# Altium PCB Light Control - 6ports.PcbDoc
Units mm, origin at the board's own origin, x right, y up, seen from the top; angles counter-clockwise.
Board outline 152.4 x 101.6 mm, 2 copper layers (Top Layer, Bottom Layer); 42 components, 40 nets, 134 pads, 92 vias.
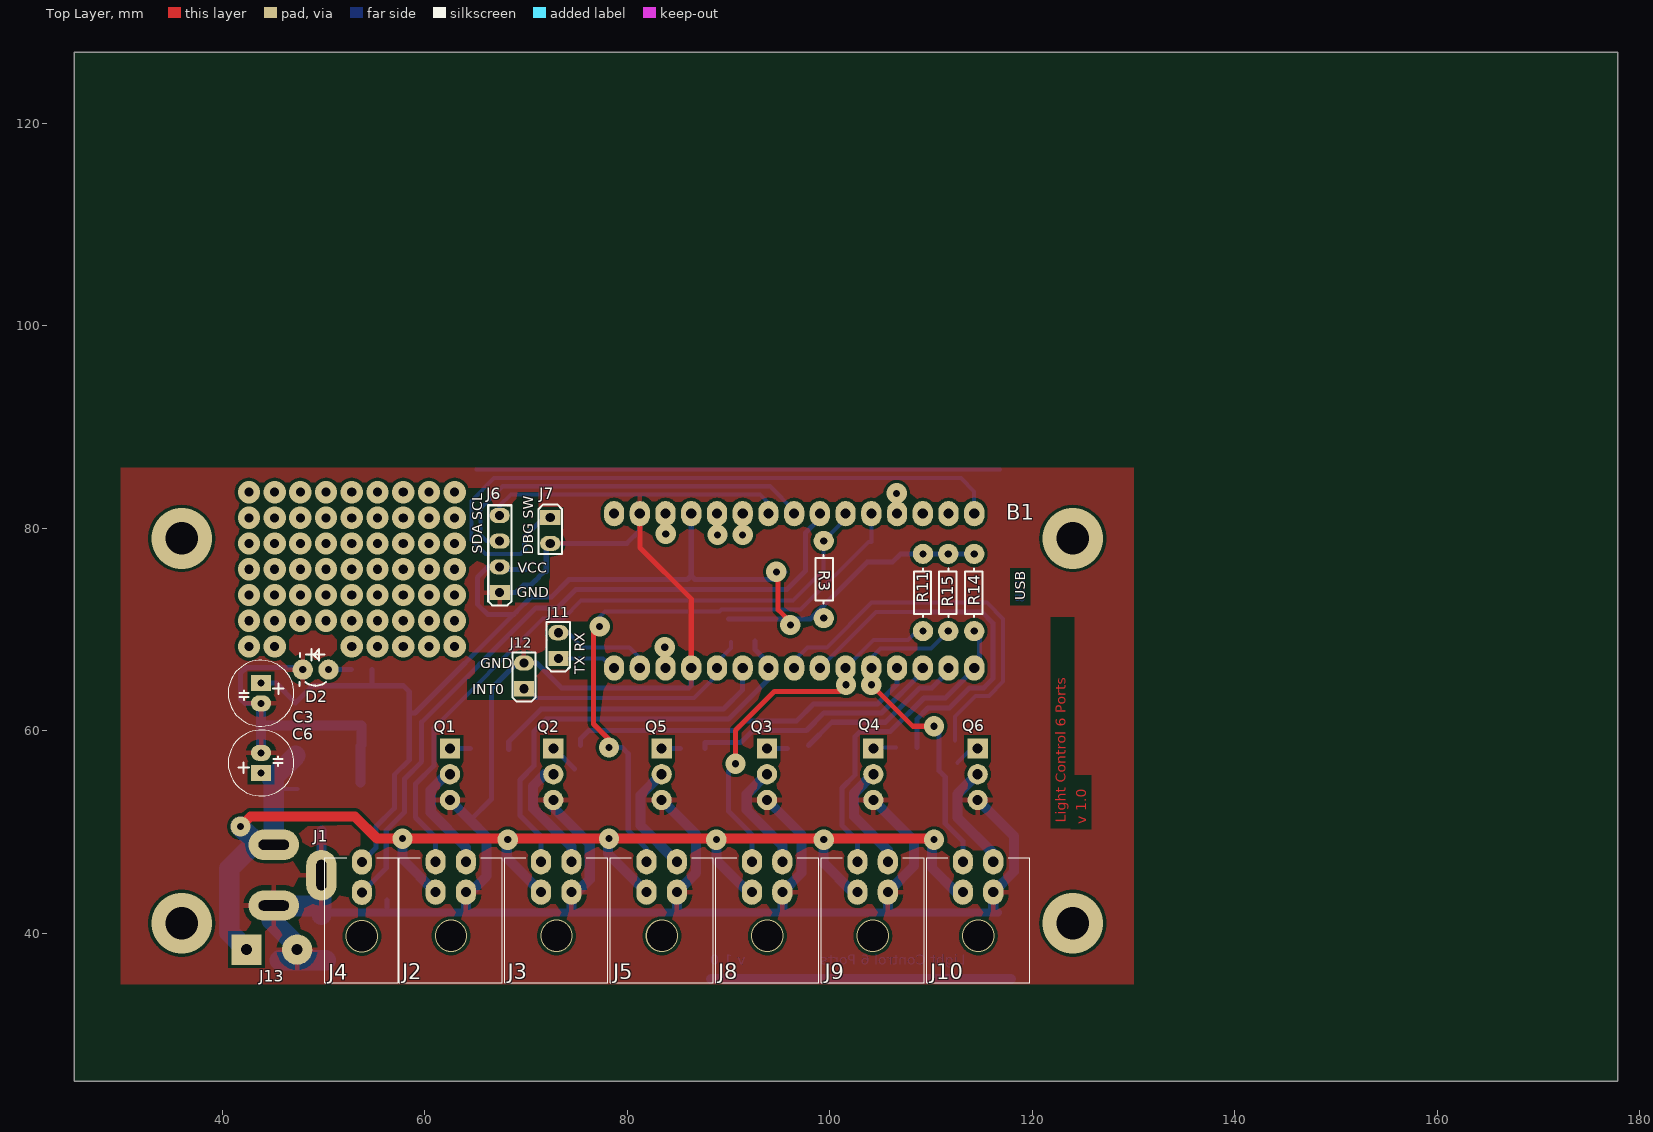
[diagram p0: Top Layer view]
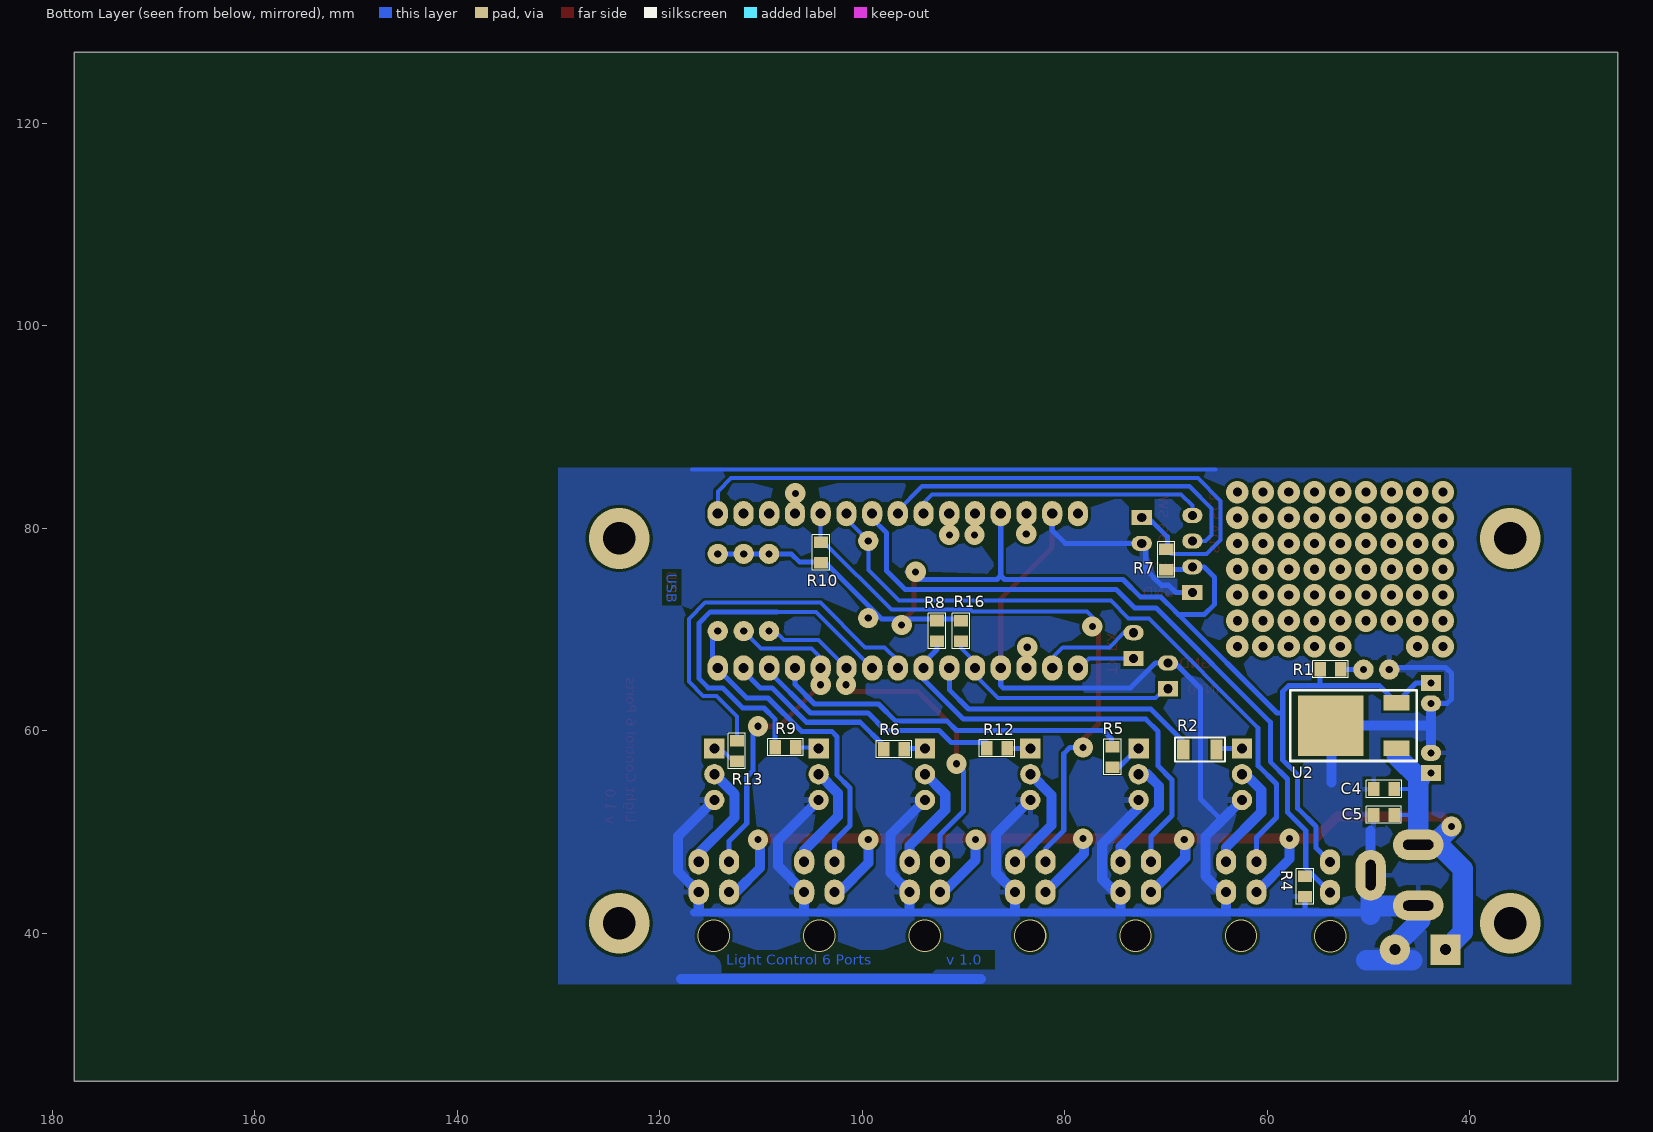
[diagram p1: Bottom Layer view, seen from below]
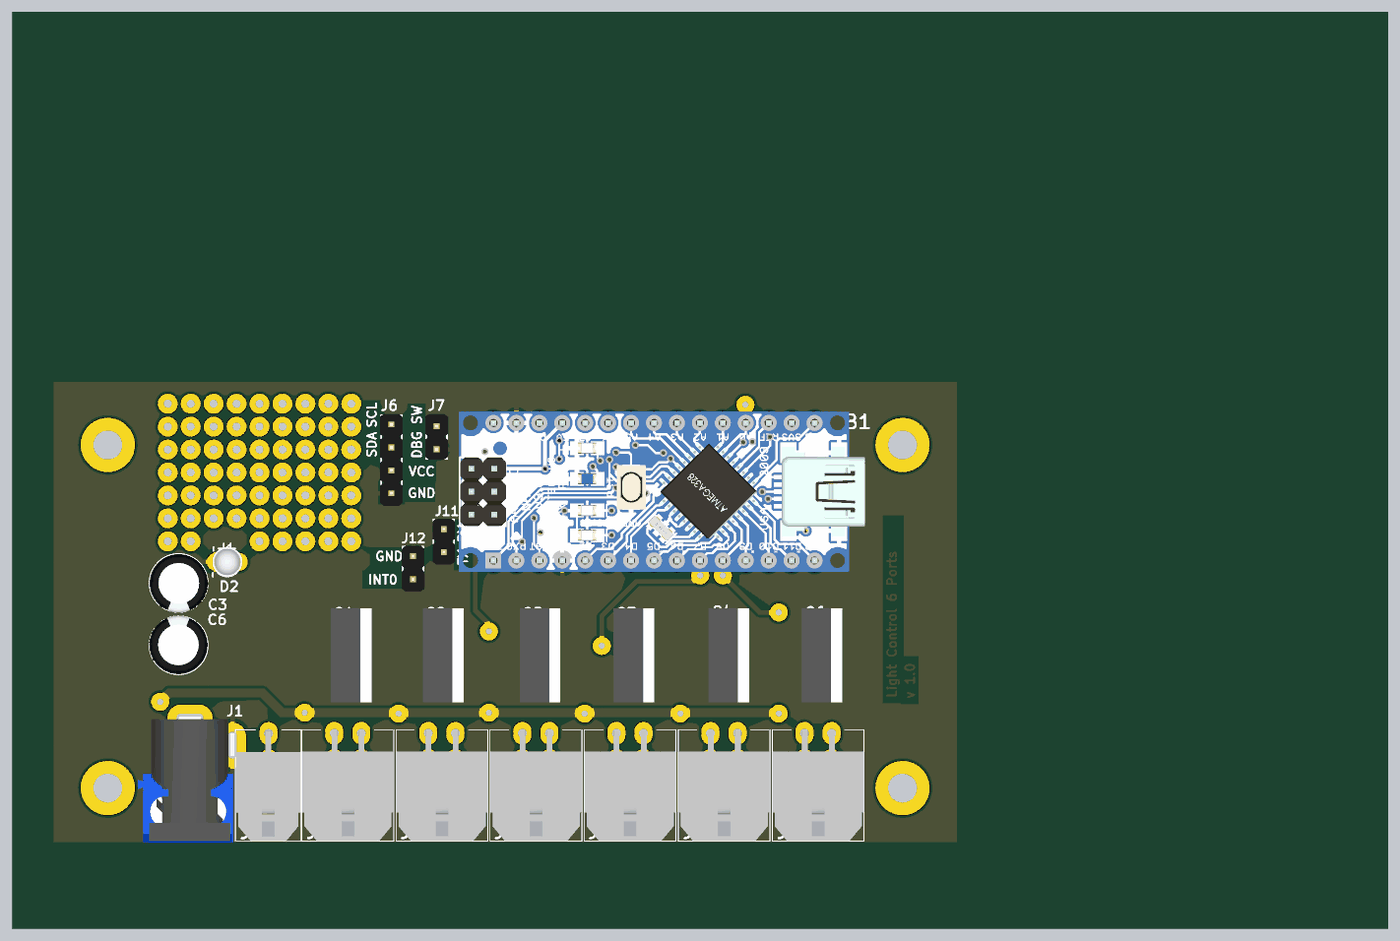
[diagram p2: 3D render of the assembled board from above, using the file's embedded part models]
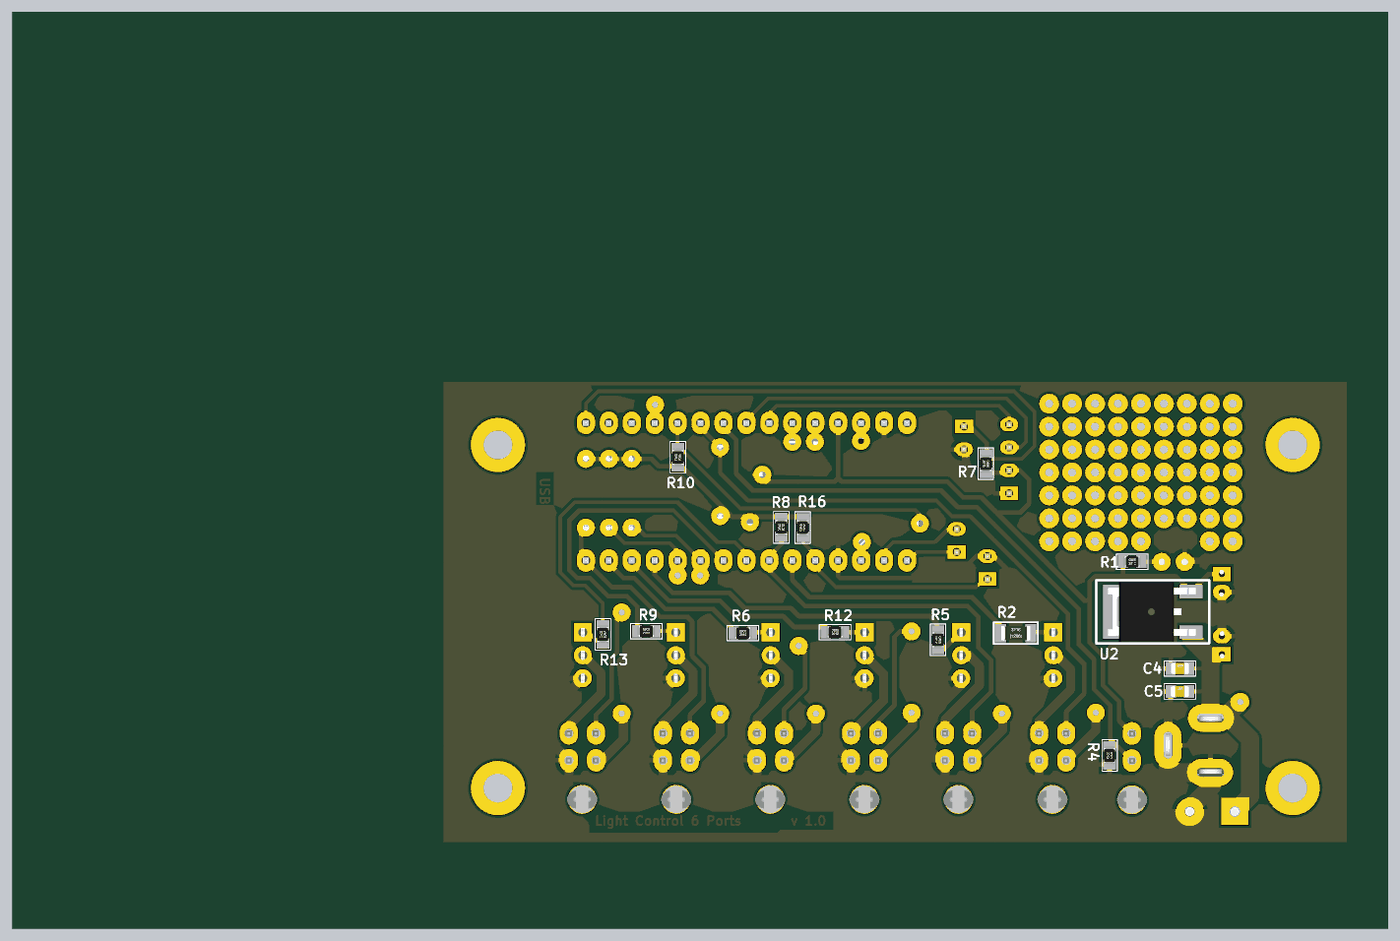
[diagram p3: 3D render of the assembled board from below, using the file's embedded part models]

## Layer stack, top to bottom
Top Solder: solder mask 0.0102, Solder Resist, Dk 3.5
Top Layer: signal copper 0.0356
Dielectric 1: dielectric 0.32, FR-4, Dk 4.8
Bottom Layer: signal copper 0.0356
Bottom Solder: solder mask 0.0102, Solder Resist, Dk 3.5

## Board outline
25.4,25.4 177.8,25.4 177.8,127 25.4,127

## Design rules (kind name [scope] priority, off if disabled: settings)
Clearance [All] p1: gap=0.3
ComponentClearance [All] p1: gap=0 collisioncheckmode=3 verticalgap=0 showdistances=FALSE
PlaneClearance [All] p1: clearance=0.5
PlaneConnect [All] p1: planeconnectstyle=Relief reliefexpansion=0.5 reliefentries=4 reliefconductorwidth=0.5 reliefairgap=0.5
PolygonConnect [All] p1: connectstyle=Relief reliefconductorwidth=0.5 reliefentries=4 polygonreliefangle="90 Angle" airgapwidth=0.5
RoutingVias [All] p1: holewidth=0.711 width=1.27 viastyle="Through Hole" minholewidth=0.711 minwidth=1.27 maxholewidth=0.711 maxwidth=1.27
SolderMaskExpansion [All] p1: expansion=0.102
Width [All] p1: maxlimit=3 minlimit=0.3 preferedwidth=0.5
26 further rules are at their usual default settings.

## Components (designator, comment, footprint, x,y, rotation, side; value= is the part's Value field where it differs from the comment)
B1 "Arduino Nano" "Arduino Nano v3" 78.7,81.45 r0 top
C3 "220mF 16v" "Cap E p2mm D6.5xH11" 43.841,64.712 r270 top
C4 "0.01uF" "SMD 0805 (2012)" 49.5,54.225 r180 bottom
C5 "0.1uF" "SMD 0805 (2012)" 49.525,51.675 r180 bottom
C6 "25v 220mF" "Cap E p2mm D6.5xH11" 43.841,55.822 r90 top
D2 "FYL-3014GD" "LED Round 3mm Green" 50.5,66.05 r180 top
J1 "DC In 12V" "DC Connector" 45.1,48.75 r270 top
J2 "Port 1" "Molex Micro-Fit 3.0 - 4 pin D R" 64.073,44.073 r0 top
J3 "Port 1" "Molex Micro-Fit 3.0 - 4 pin D R" 74.487,44.073 r0 top
J4 "Light Sensor" "Molex Micro-Fit 3.0 - 2 pin D R" 53.8,44.05 r0 top
J5 "Port 1" "Molex Micro-Fit 3.0 - 4 pin D R" 84.901,44.073 r0 top
J6 "I2C" "Line 2.54 X 4" 67.4,73.65 r180 top
J7 "ON/OFF Display and serial" "Line 2.54 x 2" 72.4,81.05 r0 top
J8 "Port 1" "Molex Micro-Fit 3.0 - 4 pin D R" 95.315,44.073 r0 top
J9 "Port 1" "Molex Micro-Fit 3.0 - 4 pin D R" 105.729,44.073 r0 top
J10 "Port 1" "Molex Micro-Fit 3.0 - 4 pin D R" 116.143,44.073 r0 top
J11 "RX-TX" "Line 2.54 x 2" 73.2,67.15 r180 top
J12 "Int0" "Line 2.54 x 2" 69.8,64.15 r180 top
J13 "DC In v2" "DG301 5mm 2p" 42.4,38.4 r0 top
Q1 "TIP122" TO220-2 62.5,58.25 r180 top
Q2 "TIP122" TO220-2 72.7,58.25 r180 top
Q3 "TIP122" TO220-2 93.8,58.25 r180 top
Q4 "TIP122" TO220-2 104.3,58.25 r180 top
Q5 "TIP122" TO220-2 83.4,58.25 r180 top
Q6 "TIP122" TO220-2 114.6,58.25 r180 top
R1 "4.7k Om" "SMD 0805 (2012)" 54.8,66.05 r180 bottom
R2 "1kOm" "SMD 1206 (3216)" 68.3,58.15 r180 bottom
R3 "10k Om" "Res p7.62 (4p) 0.25w" 99.4,78.75 r270 top
R4 "1 kOm" "SMD 0805 (2012)" 56.3,45.65 r270 bottom
R5 "1kOm" "SMD 0805 (2012)" 75.3,58.45 r270 bottom
R6 "1kOm" "SMD 0805 (2012)" 97.9,58.15 r180 bottom
R7 "10kOm" "SMD 0805 (2012)" 70,77.95 r270 bottom
R8 "10k Om" "SMD 0805 (2012)" 92.6,68.85 r90 bottom
R9 "1kOm" "SMD 0805 (2012)" 108.6,58.35 r180 bottom
R10 "10k Om" "SMD 0805 (2012)" 104.1,78.65 r270 bottom
R11 "10k Om" "Res p7.62 (4p) 0.25w" 109.2,69.85 r90 top
R12 "1kOm" "SMD 0805 (2012)" 87.7,58.25 r180 bottom
R13 "1kOm" "SMD 0805 (2012)" 112.4,59.05 r270 bottom
R14 "10k Om" "Res p7.62 (4p) 0.25w" 114.26,69.85 r90 top
R15 "10k Om" "Res p7.62 (4p) 0.25w" 111.7,69.85 r90 top
R16 "10kOm" "SMD 0805 (2012)" 90.225,68.825 r90 bottom
U2 "7805C" D-PAK 53.747,60.521 r180 bottom

## Footprints (in the part's own frame and the unit in brackets; to place one, negate y for a bottom-side part, rotate by r counter-clockwise, add the part's x,y. Pads: shape width x height; smd on the part's side, far side on the other; paste and mask are expansions set on the pad)
"Arduino Nano v3" [mm]
  oval 2x2.5 hole 1: 3V3(33.02,0) 5V(7.62,0) A0(27.94,0) A1(25.4,0) A2(22.86,0) A3(20.32,0) A4(17.78,0) A5(15.24,0) A6(12.7,0) A7(10.16,0) Aref(30.48,0) D0(2.54,-15.24) D1(0,-15.24) D2(10.16,-15.24) D3(12.7,-15.24) D4(15.24,-15.24) D5(17.78,-15.24) D6(20.32,-15.24) D7(22.86,-15.24) D8(25.4,-15.24) D9(27.94,-15.24) D10(30.48,-15.24) D11(33.02,-15.24) D12(35.56,-15.24) D13(35.56,0) Gnd1(2.54,0) Gnd2(7.62,-15.24) Rst1(5.08,0) Rst2(5.08,-15.24) Vin(0,0)
  body extent -3.81,-16.52 41.11,1.27, height 12.73
"Cap E p2mm D6.5xH11" [mm] "D 6.5mm; H 11mm"
  rect 1.6x2 hole 0.7: 1(0,0)
  oval 1.6x2 hole 0.7: 2(2,0)
  silkscreen extent -2.25,-3.25 4.25,3.25, body extent -2.22,-3.22 4.27,3.28, height 11.49
D-PAK [mm]
  rect 2.54x1.5 smd: 1(6.5,-2.25) 3(6.5,2.25)
  rect 6.48x5.97 smd: 2(0,0)
  silkscreen extent -4,-3.5 8.5,3.5, body extent -2.7,-3.29 7,3.29, height 2.3
"DC Connector" [mm] "Ext Pin D: 5.5mm; Int Pin D: 2.5mm"
  oval 5x3 hole 1 slot 3 at 0 deg: GND(3,4.7)
  oval 3x5 hole 1 slot 3 at 90 deg: GND(6,0) VCC(0,0)
  body extent -0.2,-4.53 13.63,4.98, height 11
"DG301 5mm 2p" [mm]
  rect 3x3 hole 1.1: 1(0,0)
  round 3 hole 1.1: 2(5,0)
  body extent -3.1,-3.4 7.5,4.2, height 10
"LED Round 3mm Green" [mm]
  round 2 hole 0.7: A(0,0) K(2.54,0)
  silkscreen extent 0.25,-2.03 2.88,1.63, body extent -0.39,-1.65 2.91,1.64, height 5.51
"Line 2.54 x 2" [mm]
  rect 2x1.5 hole 0.9: 1(0,0)
  oval 2x1.5 hole 0.9: 2(0,-2.54)
  silkscreen extent -1.15,-3.57 1.15,1.28, body extent -1.25,-3.69 1.25,1.39, height 8.3
"Line 2.54 X 4" [mm]
  rect 2x1.5 hole 0.9: 1(0,0)
  oval 2x1.5 hole 0.9: 2(0,-2.54) 3(0,-5.08) 4(0,-7.62)
  silkscreen extent -1.17,-8.62 1.12,1.27, body extent -1.25,-8.78 1.25,1.38, height 8.2
"Molex Micro-Fit 3.0 - 2 pin D R" [mm]
  oval 2x2.5 hole 1: 1(0,0) 2(0,3)
  silkscreen extent -3.67,-8.95 3.6,3.4, body extent -3.6,-8.95 3.55,3.3, height 8.83
"Molex Micro-Fit 3.0 - 4 pin D R" [mm]
  oval 2x2.5 hole 1: 1(0,0) 2(-3,0) 3(0,3) 4(-3,3)
  silkscreen extent -6.58,-8.95 3.6,3.4, body extent -6.55,-8.94 3.6,3.3, height 8.83
"Res p7.62 (4p) 0.25w" [mm] "L p7.62; horisontal"
  round 2 hole 0.7: 1(0,0) 2(7.62,0)
  silkscreen extent 1.4,-0.8 6.2,0.9, body extent -0.3,-1 7.8,1, height 2.1
"SMD 0805 (2012)" [mil]
  rect 45x55 smd: 1(0.35,0.98) 2(80.35,0.98)
  silkscreen extent -29,-32 109,34, body extent 1,-24 80,26, height 31
"SMD 1206 (3216)" [mm]
  rect 1.2x2 smd: 1(0,0) 2(3.3,0)
  silkscreen extent -0.8,-1.2 4.1,1.2, body extent 0.05,-0.8 3.25,0.8, height 0.55
TO220-2 [mm]
  rect 2x2 hole 1: 1(0,0)
  round 2 hole 1: 2(0,2.54) 3(0,5.08)
  body extent -2.7,-2.65 1.8,7.75, height 19

## Part data
C3 C6: library part "Cap E 220mF x 16V", "Capacitor"
C4 C5: library part "Cap SMD 0402-1812", "Capacitor"
D2: library part "Led Round 3mm Green", "2.1v 10mA, 15-30mCd"
J1: library part "DC Connector (PJ-002B)", "DC Connector"
J2 J3 J5 J8 J9 J10: library part "Micro-Fit 4R (2x2)", "Horisontal, Dbl line, Male - 3mm"
J4: library part "Micro-Fit 2R (1x2)", "Horisontal, Dbl line, Male - 3mm"
J6: library part PLS-4, "Vert, Sgl line, Male"
J7 J11 J12: library part PLS-2, "Vert, Sgl line, Male"
J13: library part DG301-5.0-2P12, "DG301 series"
Q1 Q2 Q3 Q4 Q5 Q6: "NPN Darlington 5A, 65W, 100V, h>1000"
R1 R2 R3 R4 R5 R6 R7 R8 R9 R10 R11 R12 R13 R14 R15 R16: library part "Res All Types"
U2: "Voltage Regulator"

## Via types
v1: diameter 2.2, hole 0.9, Top Layer to Bottom Layer, 61 vias
v2: diameter 2, hole 0.7, Top Layer to Bottom Layer, 20 vias
v3: diameter 3.2, hole 3, Top Layer to Bottom Layer, 7 vias
v4: diameter 6, hole 3.2, Top Layer to Bottom Layer, 4 vias

## Nets (pads, with @x,y where several pads share a name; then routed paths per layer and width w, separated by ;. In a path a pad name is that pad's centre, name@x,y a point inside that pad or via, vN(x,y) a via of type N, cw(c..) or ccw(c..) an arc to the next point about the centre after c; other vN are vias at no path point)
+5V: B1.5V C3.1 J4.2 J6.2 R1.1 R3.2 R7.2 R8.2 R10.2 R11.2 R14.2 R15.2 R16.2 U2.3 | length 131.8
  Top Layer w0.5: v2@95.325,75.7 94.9,75.275 94.9,71.95 96.1,70.75 v2(96.1,70.45)
  Bottom Layer w0.5: C3.1 45.306,64.712 U2.3 48.926,64.45 57.9,64.45 58.475,63.875 58.475,61.975 58.7,61.75 ; J4.2 55.2,48.45 55.2,50.55 57,52.35 57,55.65 58.475,57.125 58.475,61.75 59.05,61.75 69.05,71.75 ; 54.791,64.559 R1.1 ; J6.2@67.4,75.909 R7.2 ; J6.2 66.24,76.19 65.2,75.15 65.2,72.5 66.2,71.5 68.8,71.5 69.05,71.75 ; B1.5V 86.32,75.33 ; R16.2@89.98,71.05 98.075,71.05 103.675,76.65 106.18,76.65 107,77.47 R11.2 R15.2 R14.2@114.1,77.47 ; v2(94.725,75.7) 95.55,75.7 94.8,74.95 86.7,74.95 86.32,75.33 ; 69.05,71.75 70.5,73.2 72.5,73.2 74.25,74.95 85.94,74.95 86.32,75.33
+12V: C4.2 C5.2 C6.1 J1.VCC J2.2 J3.2 J5.2 J8.2 J9.2 J10.2 J13.1 U2.1 | length 140.4
  Top Layer w1: v2(41.8,50.55) 42.8,51.55 53.1,51.55 55.3,49.35 v2(78.2,49.35) v2@110.2,49.35
  Bottom Layer w0.4: 45.225,51.7 C5.2 ; 45.9,54.25 C4.2
  Bottom Layer w1: v2(57.8,49.35) 57.8,47.346 J2.2 ; v2@68.1,49.25 68.1,47.46 J3.2 ; v2@78.1,49.25 78.1,47.874 J5.2 ; v2(88.8,49.25) 88.8,47.25 91.977,44.073 J8.2 ; v2@99.396,49.15 99.396,46.954 102.277,44.073 J9.2 ; v2@110.1,49.25 110.1,46.45 112.477,44.073 J10.2
  Bottom Layer w2: v2(41.8,50.55) J1.VCC@43.6,48.75 ; J13.1 40.7,40.1 40.7,46.4 43.05,48.75 J1.VCC@43.6,48.75 ; U2.1@47.247,57.558 44.919,55.231 45.1,55.05 J1.VCC J1.VCC@43.6,48.75
  other v2: 68.2,49.25 99.4,49.25 110.3,49.25
"A 0": B1.A0
  other v2: 106.6,83.45
"A 6": B1.A6
  other v2: 91.4,79.35
"A 7": B1.A7
  other v2: 88.9,79.35
"BTN 1": B1.A2 J2.4 R3.1 | length 66.2
  Bottom Layer w0.4: 60.9,60.3 71.7,71.1 73.7,71.1 75.45,72.85 96.35,72.85 99.4,75.9 R3.1 101.56,80.91 B1.A2
  Bottom Layer w0.5: 60.9,60.3 60.9,56.55 59.1,54.75 59.1,51.45 61.073,49.477 J2.4
"BTN 2": B1.D4 J3.4 R8.1 | length 44
  Bottom Layer w0.5: J3.4 71.487,49.563 69.4,51.65 69.4,55.15 70.8,56.55 70.8,59.95 72,61.15 90,61.15 94,65.15 94,66.65 92.625,68.025 R8.1
"BTN 3": B1.A1 J5.4 R10.1 | length 59.5
  Top Layer w0.5: v2@76.675,70.75 76.675,60.675 78.2,59.15 v2(78.2,58.35)
  Bottom Layer w0.4: v2@77.156,71.155 77.8,71.8 89.125,71.8 89.3,71.975 97.125,71.975 103.8,78.65 104.1,78.65 B1.A1
  Bottom Layer w0.5: v2(78.2,58.35) 79.5,58.35 80.1,57.75 80.1,50.15 81.901,48.349 J5.4
  other v2: 77.277,70.304
"BTN 4": B1.D7 J8.4 R11.1 | length 36.1
  Top Layer w0.5: v2(90.7,56.75) 90.7,60.05 94.55,63.9 100.95,63.9 v2(101.6,64.55)
  Bottom Layer w0.4: B1.D7 104.3,68.95 107.7,68.95 108.6,69.85 R11.1
  Bottom Layer w0.5: v2(90.7,56.75) 90,56.05 90,52.05 92.315,49.735 J8.4
"BTN 5": B1.D12 J9.4 R14.1 | length 32.3
  Bottom Layer w0.5: J9.4 102.729,49.121 101.2,50.65 101.2,54.35 102.5,55.65 102.5,59.45 103,59.95 106,59.95 109.3,63.25 111.4,63.25 114.8,66.65 114.8,69.31 R14.1
"BTN 6": B1.D8 J10.4 R15.1 | length 34.8
  Top Layer w0.5: v2(104.1,64.55) 108.2,60.45 v2(110.3,60.45)
  Bottom Layer w0.4: B1.D8 104.1,67.25 105,68.15 110,68.15 R15.1
  Bottom Layer w0.5: v2@104.1,64.4 v2(104.1,64.55) B1.D8 B1.D8@104.1,67.05 ; v2(110.3,60.45) 110.8,59.95 110.8,56.05 111.4,55.45 111.4,50.85 113.143,49.107 J10.4
"CH 1": B1.D3 R2.1 | length 28.2
  Bottom Layer w0.5: R2.1 68.3,58.95 71.5,62.15 89.5,62.15 91.4,64.05 B1.D3
"CH 2": B1.D9 R5.1 | length 35.8
  Bottom Layer w0.5: R5.1@75.4,58.55 75.4,59.25 76.191,60.041 90.7,60.041 91.609,60.95 96.7,60.95 98.4,62.65 104.7,62.65 106.64,64.59 B1.D9
"CH 3": B1.D10 R12.1 | length 25.3
  Bottom Layer w0.5: R12.1 87.691,58.841 91.2,58.841 92.4,60.041 97.7,60.041 99.409,61.75 105.1,61.75 109.18,65.83 B1.D10
"CH 4": B1.D11 R6.1 | length 17.2
  Bottom Layer w0.5: R6.1@97.9,58.55 100.2,60.85 105.5,60.85 108.9,64.25 110.1,64.25 111.72,65.87 B1.D11
"CH 5": B1.D6 R9.1 | length 37.3
  Bottom Layer w0.4: B1.D6 104.56,71.75 108.4,71.75
  Bottom Layer w0.5: 108.4,71.75 115,71.75 116.1,70.65 116.1,65.15 115.2,64.25 113.8,64.25 111.8,62.25 109.7,62.25 108.591,61.141 R9.1
"CH 6": B1.D5 R13.1 | length 39.1
  Bottom Layer w0.4: B1.D5 96.48,66.93 97.8,68.25 99.7,68.25 104.1,72.65 115.5,72.65 117.1,71.05 117.1,64.85 115.7,63.45 114.4,63.45 112.375,61.425 R13.1
"DBG SW": B1.D13 J7.1 R7.1 | length 67.9
  Bottom Layer w0.4: R7.1 69.484,77.45 66,77.45 64.6,78.85 64.6,82.7 66.85,84.95 112.95,84.95 114.26,83.64 B1.D13
  Bottom Layer w0.5: R7.1@69.875,77.941 69.875,79.175 71.75,81.05 J7.1
GND: B1.Gnd1 B1.Gnd2 C3.2 C4.1 C5.1 C6.2 D2.K J1.GND J2.1 J3.1 J5.1 J6.1 J7.2 J8.1 J9.1 J10.1 J12.2 J13.2 Q1.3 Q2.3 Q3.3 Q4.3 Q5.3 Q6.3 R4.2 U2.2 | length 359.1
  Top Layer w0.5: B1.Gnd1 81.24,78.11 86.32,73.03 B1.Gnd2
  Bottom Layer w0.4: 65.1,85.8 116.8,85.8
  Bottom Layer w0.5: C3.2 42.238,62.712 41.8,63.15 41.8,65.65 42.4,66.25 47.76,66.25 D2.K ; 56.275,41.975 R4.2@56.275,43.309 ; 64.5,51.17 66.6,53.27 66.6,64.179 69.111,66.69 J12.2 ; J6.1 69.025,73.65 69.75,74.375 70.444,74.375 70.856,74.788 70.901,74.788 71.224,75.11 71.224,75.155 71.819,75.75 72,75.75 72,78.51 79.96,78.51 81.24,79.79 B1.Gnd1 ; J12.2@70.6,66.69 71.06,66.69 73.5,64.25 86.1,64.25 86.32,64.47 B1.Gnd2 ; 116.039,42.115 116.143,42.193
  Bottom Layer w0.8: J1.GND@45.404,42.05 116.6,42.05
  Bottom Layer w1: C6.2 C3.2 ; 43.929,60.521 U2.2 53.747,58.597 53.65,58.5 53.65,54.925 ; J1.GND@44.739,42.115 J1.GND@44.904,41.95 ; J1.GND@49.8,47.45 49.8,50.15 ; Q1.3 64.5,51.17 66.1,49.57 66.1,45.65 64.523,44.073 J2.1 64.073,42.25 ; Q2.3 72.7,52.423 76.3,48.823 76.3,45.35 75.023,44.073 J3.1 74.487,42.25 ; Q5.3 86.8,49.77 86.8,45.972 J5.1 84.901,42.351 ; 88.3,35.5 117.9,35.5 ; Q3.3 97.2,49.77 97.2,45.958 J8.1 95.315,42.25 ; Q4.3 108.3,49.17 108.3,46.644 J9.1 105.729,42.25 ; Q6.3 118.18,49.59 118.18,46.11 J10.1 116.143,42.193
  Bottom Layer w2: J1.GND@44.9,41.3 J13.2@47.7,38.5 ; J1.GND@45.1,42.75 49.535,42.75 ; 45.675,37.35 50.225,37.35 ; 49.8,41.825 J1.GND@49.8,45.75
INT0: B1.D2 J12.1 R16.1 | length 23.7
  Bottom Layer w0.4: J12.1@70.6,64.15 70.6,63.675 71.025,63.25 86.6,63.25 88.86,65.51 B1.D2 88.86,66.81 90.225,68.175 R16.1@90.225,68.759
"LED 1": J2.3 Q1.2 | length 11.1
  Bottom Layer w1: Q1.2@62.5,55.75 62.2,55.75 60.6,54.15 60.6,51.95 64.073,48.477 J2.3
"LED 2": J3.3 Q2.2 | length 11.5
  Bottom Layer w1: Q2.2 71.86,55.71 70.7,54.55 70.7,52.35 74.487,48.563 J3.3
"LED 3": J5.3 Q5.2 | length 11
  Bottom Layer w1: Q5.2@83.4,55.75 81.3,53.65 81.3,50.674 J5.3
"LED 4": J8.3 Q3.2 | length 11
  Bottom Layer w1: Q3.2@93.8,55.75 91.8,53.75 91.8,52.184 95.315,48.669 J8.3
"LED 5": J9.3 Q4.2 | length 10.8
  Bottom Layer w1: Q4.2@104.3,55.75 102.4,53.85 102.4,51.55 105.729,48.221 J9.3
"LED 6": J10.3 Q6.2 | length 11
  Bottom Layer w1: Q6.2@114.6,55.75 112.6,53.75 112.6,51.45 116.143,47.907 J10.3
NetD2_A: D2.A R1.2 | length 2.2
  Bottom Layer w0.5: D2.A@50.525,66.075 R1.2
NetQ3_1: Q3.1 R6.2 | length 2
  Bottom Layer w0.5: Q3.1 R6.2@95.834,58.25
NetQ4_1: Q4.1 R9.2 | length 2.3
  Bottom Layer w0.4: Q4.1 104.425,58.375 R9.2
NetQ5_1: Q5.1 R12.2 | length 1.8
  Bottom Layer w0.5: Q5.1 R12.2@85.234,58.25
NetQ6_1: Q6.1 R13.2 | length 2.7
  Bottom Layer w0.4: R13.2@112.6,56.85 114.159,58.409 114.441,58.409 Q6.1
OPTOSENS: B1.A3 J4.1 R4.1 | length 69.6
  Bottom Layer w0.5: J4.1 56.2,46.45 56.2,50.15 58,51.95 58,55.25 59.7,56.95 59.7,60.85 70.972,72.122 73.097,72.122 74.925,73.95 95.75,73.95 97.6,75.8 97.6,79.55 99,80.95 99,81.25 B1.A3@98.8,81.45
"RST 1": B1.Rst1
  other v2: 83.8,79.45
"RST 2": B1.Rst2
  other v2: 83.7,68.25
RX: B1.D0 J11.2 | length 9.9
  Bottom Layer w0.4: J11.2@73.4,69.69 74.16,69.69 75.6,68.25 80.2,68.25 81.24,67.21 B1.D0
SCL: B1.A5 J6.4 | length 29.4
  Bottom Layer w0.4: J6.4 67.4,82.25 68.5,83.35 93.1,83.35 93.94,82.51 B1.A5
SDA: B1.A4 J6.3 | length 38
  Bottom Layer w0.4: J6.3 66.12,78.73 65.5,79.35 65.5,81.95 67.7,84.15 94.1,84.15 96.48,81.77 B1.A4
T1: Q1.1 R2.2 | length 2
  Bottom Layer w0.5: Q1.1 R2.2@64.534,58.25
T2: Q2.1 R5.2 | length 2.9
  Bottom Layer w0.5: Q2.1 72.8,58.25 R5.2@74.8,56.25
TX: B1.D1 J11.1 | length 5.7
  Bottom Layer w0.4: J11.1@73.4,67.15 77.6,67.15 78.54,66.21 B1.D1
pads on no net: B1.3V3 B1.Aref B1.Vin
copper on no net:
  other v1: 42.64,68.33 45.18,68.33 52.8,68.33 55.34,68.33 57.88,68.33 60.42,68.33 62.96,68.33 42.64,70.87 45.18,70.87 47.72,70.87 50.26,70.87 52.8,70.87 55.34,70.87 57.88,70.87 60.42,70.87 62.96,70.87 42.64,73.41 45.18,73.41 47.72,73.41 50.26,73.41 52.8,73.41 55.34,73.41 57.88,73.41 60.42,73.41 62.96,73.41 42.64,75.95 45.18,75.95 47.72,75.95 50.26,75.95 52.8,75.95 55.34,75.95 57.88,75.95 60.42,75.95 62.96,75.95 42.64,78.49 45.18,78.49 47.72,78.49 50.26,78.49 52.8,78.49 55.34,78.49 57.88,78.49 60.42,78.49 62.96,78.49 42.64,81.03 45.18,81.03 47.72,81.03 50.26,81.03 52.8,81.03 55.34,81.03 57.88,81.03 60.42,81.03 62.96,81.03 42.64,83.57 45.18,83.57 47.72,83.57 50.26,83.57 52.8,83.57 55.34,83.57 57.88,83.57 60.42,83.57 62.96,83.57
  other v3: 53.8,39.7 62.598,39.748 73.012,39.748 83.426,39.748 93.84,39.748 104.254,39.748 114.668,39.748
  other v4: 36,41 124,41 36,79 124,79

## Polygon pours and split planes (outlines as drawn)
GND on Bottom Layer "Top Layer-No Net" (solid, pour order 2): 130,86 30,86 30,35 130,35
GND on Top Layer "Top Layer-No Net" (solid, pour order 5): 130,35 130,86 30,86 30,35

## Other copper
Top Layer:
  text "SCL" at 65.7,80.8 h1 r90
  text "SDA" at 65.7,77.5 h1 r90
  text "DBG SW" at 70.7,77.4 h1 r90
  text "VCC" at 69.2,75.6 h1
  text "GND" at 69.1,73.2 h1
  text "USB" at 119.3,72.9 h1 r90
  text "GND" at 65.501,66.188 h1
  text "TX RX" at 75.801,65.588 h1 r90
  text "INT0" at 64.701,63.588 h1
  text "Light Control 6 Ports" at 123.3,50.9 h1 r90
  text "v 1.0" at 125.3,50.8 h1 r90
Bottom Layer:
  text "USB" at 119.3,75.5 h1 r90
  text "v 1.0" at 91.7,36.9 h1
  text "Light Control 6 Ports" at 113.4,36.9 h1

## Silkscreen, mask and mechanical layers (free items; w line width, h text height)
Top Overlay:
  text "SCL" at 65.7,80.8 h1 r90
  text "SDA" at 65.7,77.5 h1 r90
  text "DBG SW" at 70.7,77.4 h1 r90
  text "VCC" at 69.2,75.6 h1
  text "GND" at 69.1,73.2 h1
  text "USB" at 119.3,72.9 h1 r90
  text "GND" at 65.5,66.2 h1
  text "TX RX" at 75.8,65.6 h1 r90
  text "INT0" at 64.7,63.6 h1